# Altium PCB NRF_Temperature_1.0.0.PcbDoc
Units mil, origin at the board's own origin, x right, y up, seen from the top; angles counter-clockwise.
Board outline 2401.57 x 1377.95 mil, 2 copper layers (L1, L4), stack 57.952 mil thick; 34 components, 21 nets, 113 pads, 58 vias.
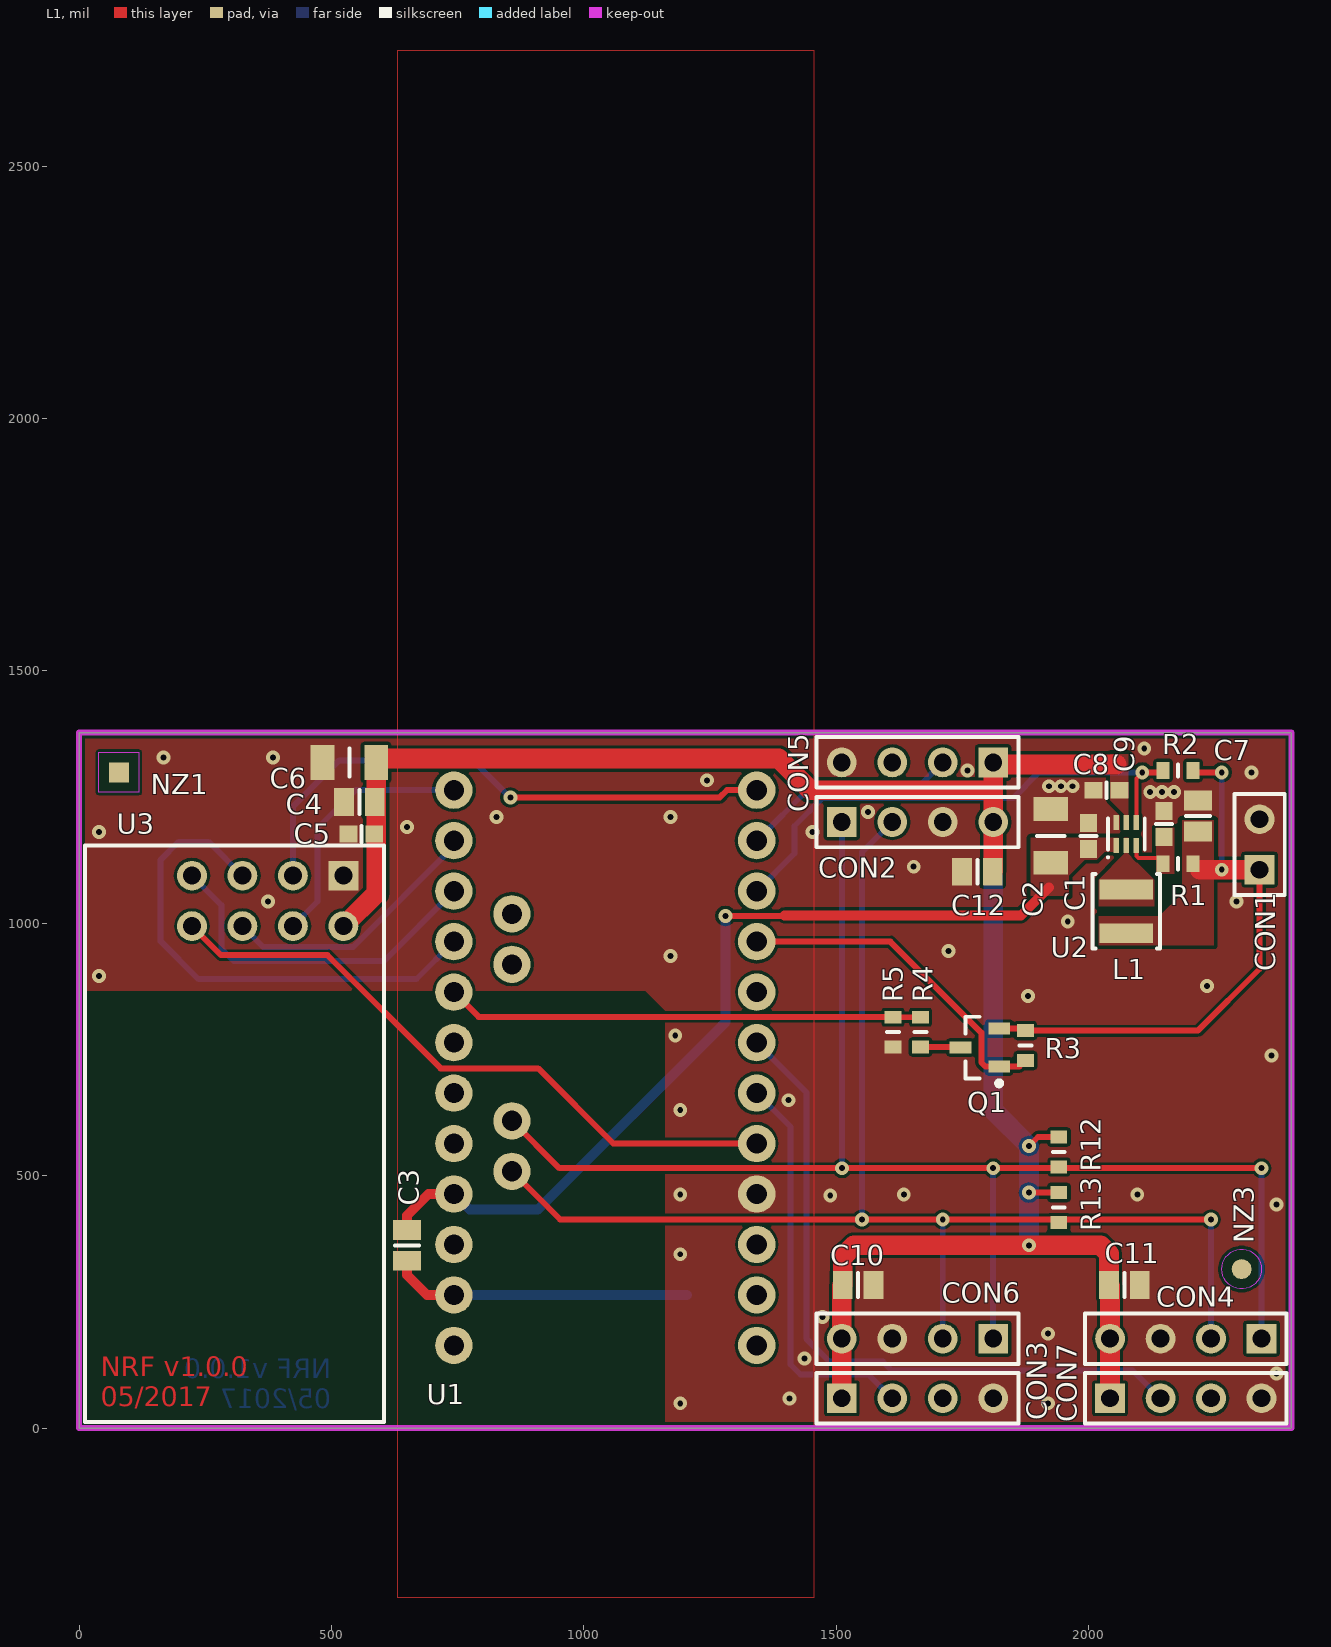
[diagram p0: L1 view]
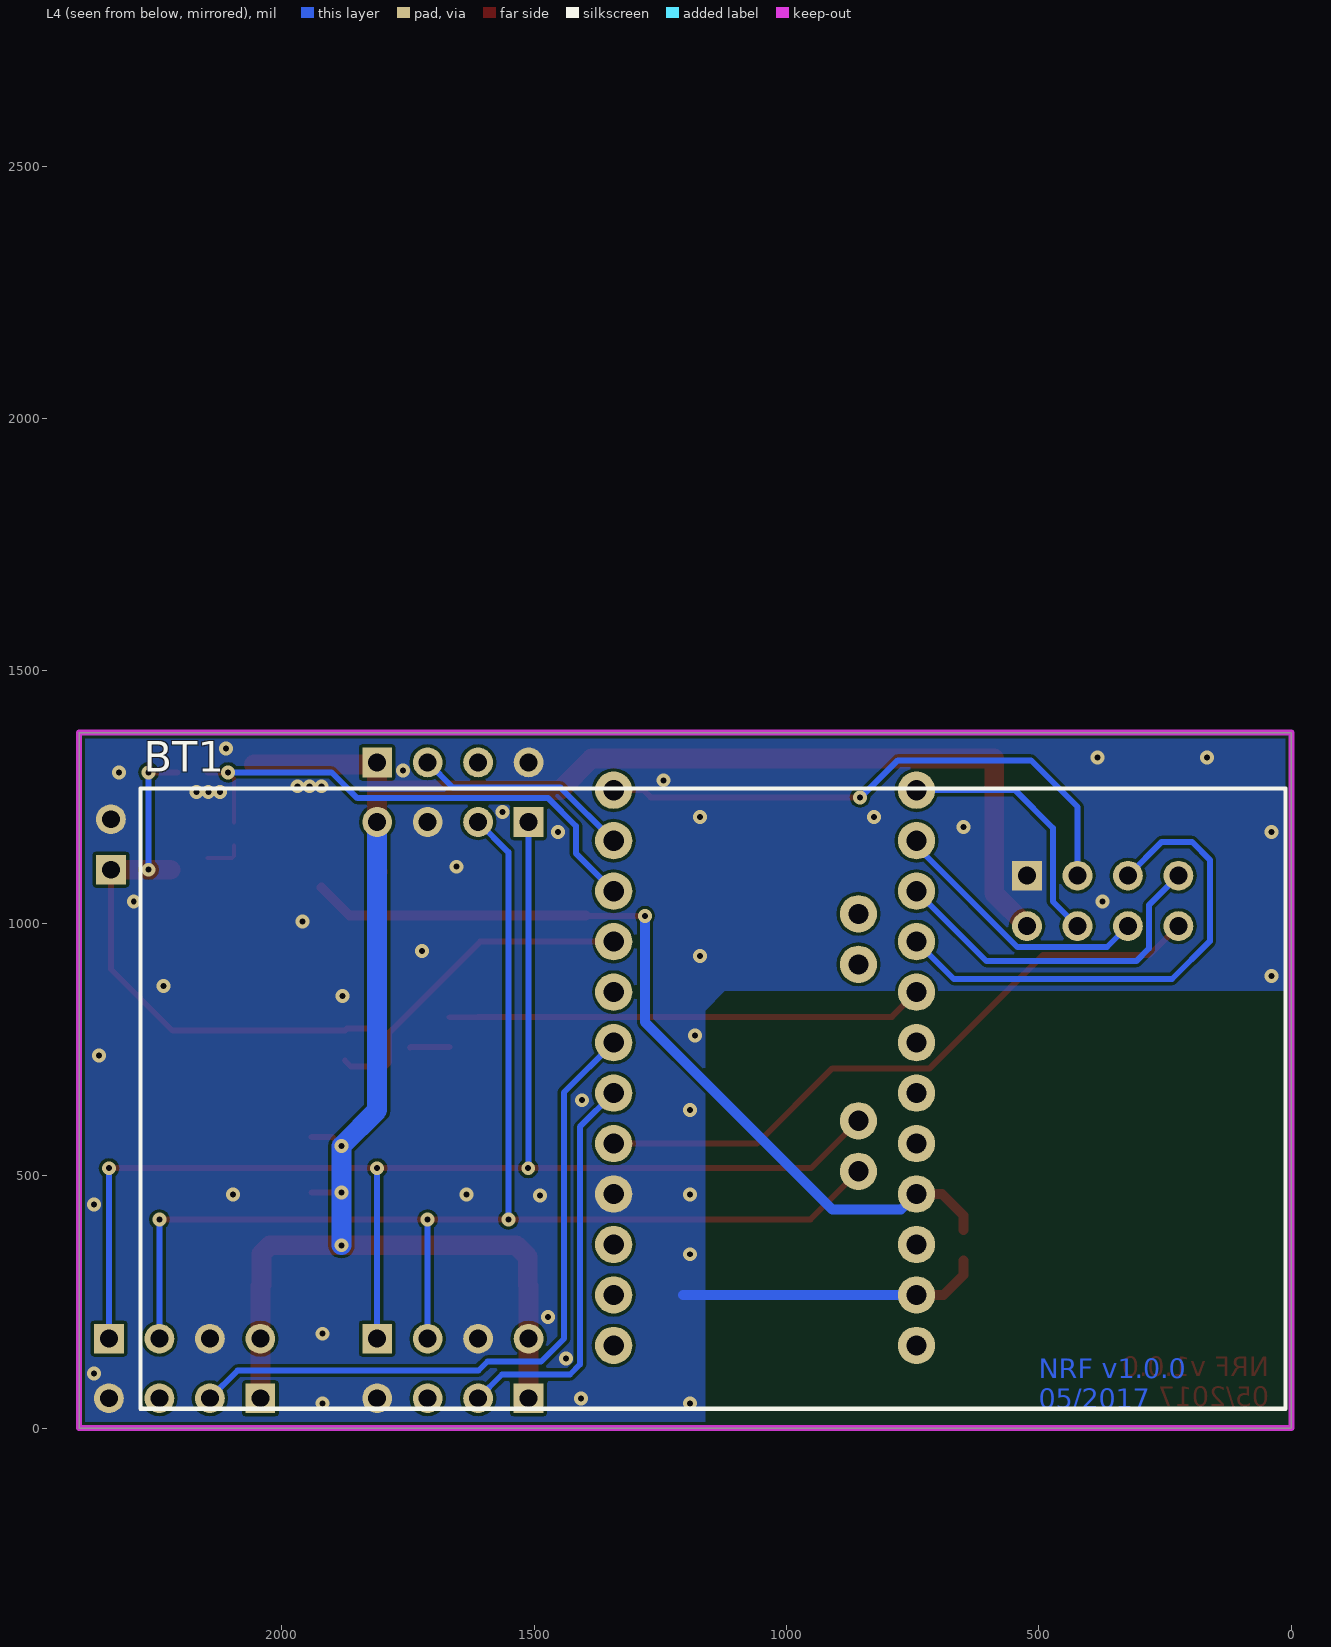
[diagram p1: L4 view, seen from below]
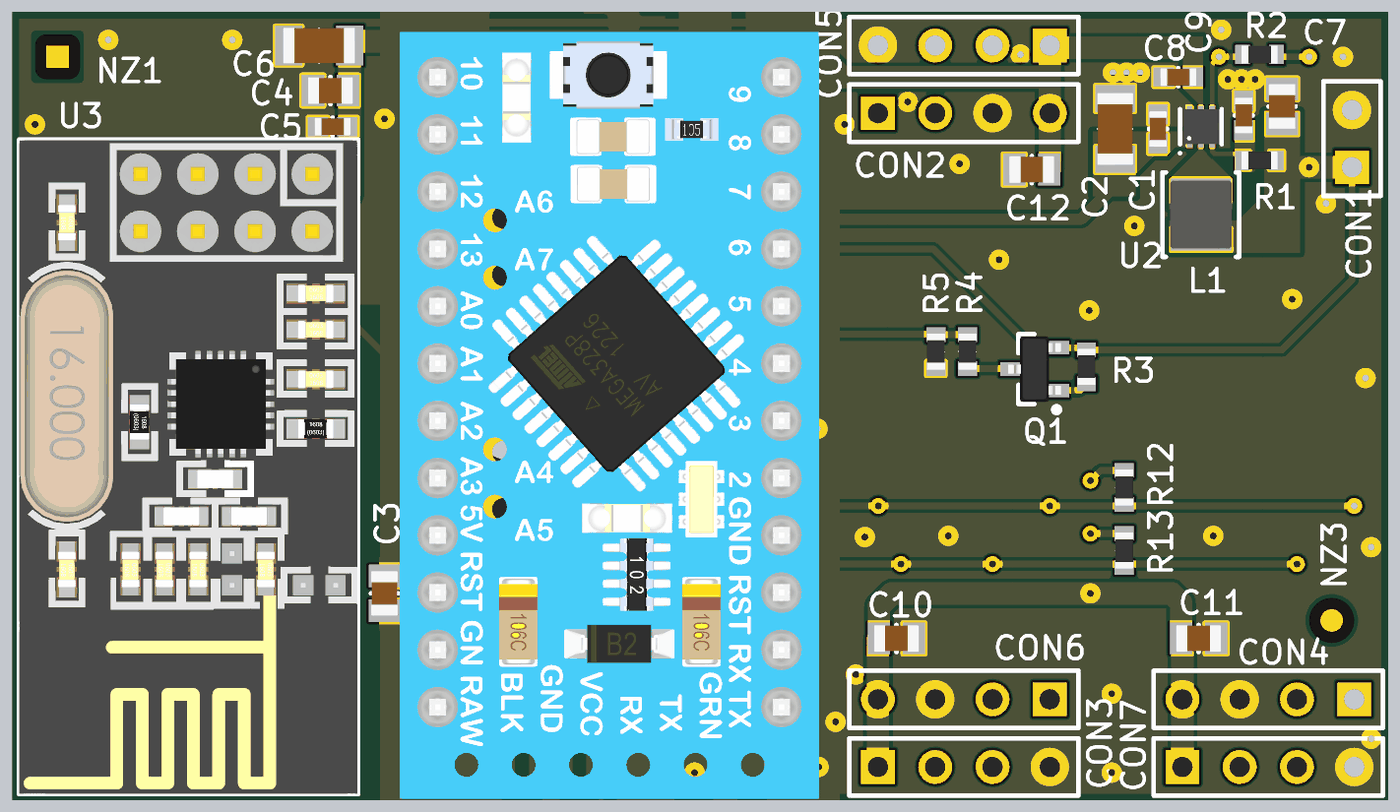
[diagram p2: 3D render of the assembled board from above, using the file's embedded part models]

## Layer stack, top to bottom
Top Solder: solder mask 0.787, Solder Resist, Dk 3.5
L1: signal copper 1.4169
Dielectric 1: core 55.1181, IS400, Dk 4.2
L4: signal copper 1.4169
Bottom Solder: solder mask 0.787, Solder Resist, Dk 3.5

## Board outline
0,0 0,1377.95 2401.57,1377.95 2401.57,0

## Design rules (kind name [scope] priority, off if disabled: settings)
AssemblyTestPointUsage SilkToBoardRegionClearance_1 [All] p2:
AssemblyTestPointUsage SilkToBoardRegionClearance_2 [All] p3:
Clearance [All] p1: gap=6 ignorepadtopadclearanceinfootprint=FALSE except(0: Arc-Hole Track-Hole SMDPad-Hole THPad-Hole Via-Hole Fill-Hole Poly-Hole Region-Hole Text-Hole; 8: Poly-Poly)
ComponentClearance ComponentClearance_Battery [All vs InComponent('BT1')] p1: gap=0 collisioncheckmode=3 verticalgap=0 showdistances=FALSE
ComponentClearance [All] p2: gap=10 collisioncheckmode=3 verticalgap=10 showdistances=FALSE
HoleSize [All] p1: absolutevalues=TRUE maxlimit=250 minlimit=11.81 maxpercent=80.000 minpercent=20.000
MatchedLengths DiffPair_DIFF100MatchedLengths [InDifferentialPairClass('DIFF100')] p1: tolerance=6 checknetsindiffpair=TRUE checkdiffpairvsdiffpair=FALSE checkxsignals=FALSE checkothers=FALSE
MinimumSolderMaskSliver [All] p1: minsoldermaskwidth=3.94
MinimumSolderMaskSliver SilkscreenOverComponentPads_2 [All] p2: minsoldermaskwidth=10
MinimumSolderMaskSliver SilkToSolderMaskClearance_1 [IsPad] p3: minsoldermaskwidth=10
MinimumSolderMaskSliver SilkscreenOverComponentPads_1 [All] p4: minsoldermaskwidth=10
MinimumSolderMaskSliver SilkToSolderMaskClearance [IsPad] p5: minsoldermaskwidth=10
MinimumSolderMaskSliver SilkscreenOverComponentPads [All] p6: minsoldermaskwidth=10
PolygonConnect [All] p1: connectstyle=Direct reliefconductorwidth=10 reliefentries=4 polygonreliefangle="90 Angle" airgapwidth=10
RoutingVias [All] p1: holewidth=11.81 width=27.56 viastyle="Through Hole" minholewidth=11.81 minwidth=25.59 maxholewidth=39.37 maxwidth=50
SilkToSolderMaskClearance SilkToSolderMaskClearance_2 [IsPad] p1: minsilkscreentomaskgap=10 clearancetoexposedcopper=TRUE
SolderMaskExpansion [All] p1: expansion=4
Width [All] p1: maxlimit=100 minlimit=6 preferedwidth=10
26 further rules are at their usual default settings.

## Classes and differential pairs
differential pair class DIFF100: CH1_TRX0 CH1_TRX1 CH1_TRX2 CH1_TRX3 CH2_TRX0 CH2_TRX1 CH2_TRX2 CH2_TRX3 CLK1 DRAM_SDCKL0 DRAM_SDCKL1 DRAM_SDQS0 DRAM_SDQS1 DRAM_SDQS2 DRAM_SDQS3 DRAM_SDQS4 DRAM_SDQS5 DRAM_SDQS6 DRAM_SDQS7 HDMI_CLK HDMI_D0 HDMI_D1 HDMI_D2 HDMI_OUT_CLK HDMI_OUT_D0 HDMI_OUT_D1 HDMI_OUT_D2 PCIE_REFCLK
differential pair class DIFF90: PCIE_CRX PCIE_CTX PCIE_RX PCIE_TX USB_HOST_D USB_OTG_D
net class "Power Net": VCC_3V3 VCC_CPU

## Components (designator, comment, footprint, x,y, rotation, side; value= is the part's Value field where it differs from the comment)
BT1 "BatteryHoled_unc" 2AAHLDR 2279.53,1267.72 r270 bottom
C1 "10uF/6.3V/X5R" C-0603 2000,1173.23 r270 top
C2 "100u/10V X5R" C-1206 1925.2,1173.23 r270 top
C3 "10u/10V" C-0805 649.61,362.2 r90 top
C4 "10u/10V" C-0805 555.12,1240.16 r0 top
C5 "100nF/16V" C-0603 559.06,1177.17 r0 top
C6 "100u/10V X5R" C-1206 535.43,1318.9 r0 top
C7 "10u/10V" C-0805 2216.54,1212.6 r270 top
C8 "10uF/6.3V/X5R" C-0603 2035.43,1263.78 r0 top
C9 "100nF/16V" C-0603 2149.61,1196.85 r270 top
C10 "10u/10V" C-0805 1543.31,283.46 r180 top
C11 "10u/10V" C-0805 2070.87,283.46 r180 top
C12 "10u/10V" C-0805 1779.53,1102.36 r0 top
CON1 "PAD1G02" HDR1X02S 2338.58,1106.3 r90 top
CON2 "PAD1G04" HDR1X04S 1511.02,1200.79 r0 top
CON3 "PAD1G04" HDR1X04S 1511.02,59.06 r0 top
CON4 "PAD1G04" HDR1X04S 2342.52,177.17 r180 top
CON5 "PAD1G04" HDR1X04S 1811.02,1318.9 r180 top
CON6 "PAD1G04" HDR1X04S 1811.02,177.17 r180 top
CON7 "PAD1G04" HDR1X04S 2042.52,59.06 r0 top
L1 "SRN3015-4R7M" TLU-SRN3015 2074.8,1023.62 r90 top
NZ1 "Fiducial Rectangle" "Fiducial Rectangle" 78.74,1299.21 r0 top
NZ3 "Fiducial Circle" "Fiducial Circle" 2303.15,314.96 r90 top
Q1 "FDV304P" SOT23-3L 1784.45,753.94 r180 top
R1 "470R" R-0603 2177.17,1118.11 r180 top value=470
R2 "1.87M 1%" R-0603 2177.17,1303.15 r0 top value=1.87M
R3 "100k 1%" R-0603 1875,757.87 r90 top value=100k
R4 "887k 1%" R-0603 1667.32,784.45 r270 top value=887k
R5 "100k 1%" R-0603 1612.2,784.45 r90 top value=100k
R12 "2.2k" R-0603 1940.94,547.24 r90 top
R13 "2.2k" R-0603 1940.94,437.01 r90 top
U1 "Arduino-Pro-Mini" "Arduino Mini Pro" 1342.52,1263.78 r180 top locked
U2 "TPS610986" SON50P150X80-6N 2074.8,1177.17 r90 top
U3 "NRF24L01" NRF24L01 523.62,1094.49 r90 top

## Footprints (in the part's own frame and the unit in brackets; to place one, negate y for a bottom-side part, rotate by r counter-clockwise, add the part's x,y. Pads: shape width x height; smd on the part's side, far side on the other; paste and mask are expansions set on the pad)
2AAHLDR [mil] "Battery holder 2xAA"
  silkscreen extent 1,0 1229,2268, body extent 0,0 1228,2268, height 592
"Arduino Mini Pro" [mil]
  round 74 hole 40: 1(0,0) 2(0,100) 3(0,200) 4(0,300) 5(0,400) 6(0,500) 7(0,600) 8(0,700) 9(0,800) 10(0,900) 11(0,1000) 12(0,1100) 19(600,1100) 20(600,1000) 21(600,900) 22(600,800) 23(600,700) 24(600,600) 25(600,500) 26(600,400) 27(600,300) 28(600,200) 29(600,100) 30(600,0) 31(485,755) 32(485,655) 33(485,345) 34(485,245)
  body extent -66,-79 666,1260, height 238
C-0603 [mm]
  rect 0.9x0.85 smd: 1(-0.65,0) 2(0.65,0)
  silkscreen extent 0,-0.4 0,0.4, body extent -0.8,-0.4 0.8,0.4, height 0.8
C-0805 [mm]
  rect 1x1.4 smd: 1(-0.775,0) 2(0.775,0)
  silkscreen extent 0,-0.6 0,0.6, body extent -1,-0.6 1,0.6, height 1.2
C-1206 [mm]
  rect 1.2x1.75 smd: 1(-1.35,0) 2(1.35,0)
  silkscreen extent 0,-0.7 0,0.7, body extent -1.6,-0.8 1.6,0.8, height 1.6
"Fiducial Circle" [mm]
  round 1 smd paste-0.75 mask+0.5: 0(0,0)
  L1 keep-out region: 0,1 0.434,0.901 0.782,0.623 0.975,0.223 0.975,-0.223 0.782,-0.623 0.434,-0.901 0,-1 0,-1 -0.434,-0.901 -0.782,-0.623 -0.975,-0.223 -0.975,0.223 -0.782,0.623 -0.434,0.901 0,1
"Fiducial Rectangle" [mm]
  rect 1x1 smd paste-0.75 mask+0.5: 0(0,0)
  L1 keep-out region: -1,1 1,1 1,-1 -1,-1
HDR1X02S [mm] "Connector; Header; 2 Position"
  rect 1.5x1.5 hole 0.9: 1(0,0)
  round 1.5 hole 0.9: 2(2.54,0)
  silkscreen extent -1.27,-1.27 3.81,1.27
HDR1X04S [mm] "Connector; Header; 4 Position"
  rect 1.5x1.5 hole 0.9: 1(0,0)
  round 1.5 hole 0.9: 2(2.54,0) 3(5.08,0) 4(7.62,0)
  silkscreen extent -1.27,-1.27 8.89,1.27
NRF24L01 [mm] "NRF24L01 module"
  rect 1.5x1.5 hole 0.9: 1(0,0)
  round 1.5 hole 0.9: 2(-2.54,0) 3(0,2.54) 4(-2.54,2.54) 5(0,5.08) 6(-2.54,5.08) 7(0,7.62) 8(-2.54,7.62)
  silkscreen extent -27.5,-2.03 1.52,13, body extent -27.5,-2 1.5,13, height 6.85
R-0603 [mm]
  rect 0.65x0.85 smd: 1(-0.75,0) 2(0.75,0)
  silkscreen extent 0,-0.3 0,0.3, body extent -0.8,-0.4 0.8,0.4, height 0.4
SON50P150X80-6N [mm] "SON, 6-Leads, Body 1,50x1,50mm, Pitch 0,50mm, IPC Medium Density"
  rect 0.75x0.28 smd paste-0.025 mask+0.05: 1(-0.575,0.5) 2(-0.575,0) 3(-0.575,-0.5) 4(0.575,-0.5) 5(0.575,0) 6(0.575,0.5)
  silkscreen extent -1.22,-0.93 0.77,0.97, body extent -0.78,-0.77 0.78,0.77, height 0.8
SOT23-3L [mm] "SOT23, 3-Leads, Body 2,90x2,48mm, Pitch 0,95mm, IPC High Density"
  rect 1.1x0.6 smd: 1(-0.975,0.95) 2(-0.975,-0.95) 3(0.975,0)
  silkscreen extent -1.1,-1.55 0.71,1.92, body extent -1.17,-1.46 1.17,1.46, height 1
TLU-SRN3015 [mm] "Precision Wire Wound Inductor, 2-Leads, Body 3,0x3,0mm"
  rect 1x2.7 smd: 1(-1.1,0) 2(1.1,0)
  silkscreen extent -1.88,-1.7 1.88,1.7, body extent -1.51,-1.36 1.51,1.36, height 1.5

## Part data
C1 C8: library part CMP-00255-2, "SMD Ceramic Capacitor 0603 10uF/6.3V/X5R", Package=0603, Helios ID="CAP-0603 10uF/6.3V/X5R", Type=SMT
C2 C6: library part CMP-00294-5, "SMD Ceramic Capacitor 1206 100u/10V X5R", Package=1206, Helios ID="CAP-1206 100u/10V X5R", Type=SMT
C3 C4 C7 C10 C11 C12: library part CMP-00295-2, "SMD Ceramic Capacitor 0805 10u/10V", Package=0805, Helios ID="CAP-0805 10u/10V", Type=SMT
C5 C9: library part CMP-00250-2, "SMD Ceramic Capacitor 0603 100nF/16V", Package=0603, Helios ID="CAP-0603 100nF/16V", Type=SMT
CON1: library part CMP-00005-2, "1x2pin single row pads, 2.54mm", Helios ID=CON-PAD1G02, Type=TH
CON2 CON3 CON4 CON5 CON6 CON7: library part CMP-00006-4, "1x4pin single row pads, 2.54mm", Helios ID=CON-PAD1G04, Type=TH
L1: library part CMP-00463-1, "Shielded inductor 4.7uH/1.2A 3x3mm", Helios ID=IND-SRN3015-4R7M, HelpURL=http://www.bourns.com/docs/Product-Datasheets/SRN3015.pdf, Type=SMT
NZ1: library part CMP-00041-3, Helios ID=x004, Type=MECH
NZ3: library part CMP-00042-4, Helios ID=x005, Type=MECH
Q1: library part CMP-00186-2, "P-Channel Digital FET 25V, 460mA", Package=SOT23, Helios ID=TRA-FDV304P, HelpURL=http://www.fairchildsemi.com/ds/FD/FDV304P.pdf, Type=SMT
R1: library part CMP-00095-3, "SMD Resistor 0603 470R", Package=0603, Helios ID="RES-0603 470R", Type=SMT
R2: library part CMP-00478-1, "SMD Resistor 0603 1.87M 1%", Package=0603, Helios ID="RES-0603 1.87M 1%", Type=SMT
R3 R5: library part CMP-00033-3, "SMD Resistor 0603 100k 1%", Package=0603, Helios ID="RES-0603 100k 1%", Type=SMT
R4: library part CMP-00324-2, "SMD Resistor 0603 887k 1%", Package=0603, Helios ID="RES-0603 887k 1%", Type=SMT
R12 R13: library part CMP-00080-3, "SMD Resistor 0603 2k2", Package=0603, Helios ID="RES-0603 2k2", Type=SMT
U2: library part CMP-00462-2, "Ultra-Low Quiescent Current Synchronous Boost with Integrated Load Switch", Package=DSE6, Helios ID=IC-TPS610986DSE, HelpURL=http://www.ti.com/lit/gpn/tps610986, Type=SMT

## Via types
v1: diameter 27.56, hole 11.81, L1 to L4, 58 vias

## Nets (pads, with @x,y where several pads share a name; then routed paths per layer and width w, separated by ;. In a path a pad name is that pad's centre, name@x,y a point inside that pad or via, vN(x,y) a via of type N, cw(c..) or ccw(c..) an arc to the next point about the centre after c; other vN are vias at no path point)
ADC: R4.1 R5.2 U1.26 | length 945.4
  L1 w11.81: U1.26 791.43,814.87 1611.31,814.87 R5.2 R4.1
GND: C1.1 C2.1 C3.1 C4.1 C5.1 C6.1 C7.1 C8.1 C9.1 C10.1 C11.1 C12.1 CON1.2 CON2.3 CON3.4 CON4.3 CON5.4 CON6.3 CON7.4 R5.1 U1.9 U1.20 U2.6 U3.1 | length 600
  L1 w19.68: C3.1 649.61,303.15 688.98,263.78 U1.20
  L4 w19.68: U1.20 1204.72,263.78
  other v1: 1190.94,49.21 1919.29,49.21 1407.48,59.06 2372.05,108.27 1437.01,137.8 1919.29,187.01 1472.44,220.47 1190.94,344.49 2372.05,442.91 1488.19,460.63 1190.94,462.6 1633.86,462.6 2096.46,462.6 1190.94,629.92 1405.51,649.61 2362.2,738.19 1181.1,777.56 1879.92,856.3 2234.25,875.98 39.37,895.67 1171.26,935.04 1722.44,944.88 1958.66,1003.94 374.02,1043.31 2293.31,1043.31 1653.54,1112.2 39.37,1181.1 1452.76,1181.1 649.61,1190.94 826.77,1210.63 1171.26,1210.63 1562.99,1220.47 2122.05,1259.84 2145.67,1259.84 2169.29,1259.84 1921.26,1271.65 1944.88,1271.65 1968.5,1271.65 1244.09,1283.46 2322.83,1299.21 1759.84,1303.15 167.32,1328.74 383.86,1328.74 2110.24,1346.46
MEAS_EN: Q1.1 R3.1 U1.4 | length 674.4
  L1 w11.81: U1.4 1607.09,963.78 1787.4,783.46 1787.4,724.41 1795.28,716.54 Q1.1 1863.19,716.54 R3.1
NetC9_2: C9.2 R1.2 U2.3 | length 75.4
  L1 w7.87: U2.3 2094.49,1133.86 2098.43,1129.92 R1.2@2147.64,1129.92
NetL1_2: L1.2 U2.2
NetQ1_3: Q1.3 R4.2 | length 79.1
  L1 w11.81: R4.2 1745.08,754.92 Q1.3
NRF_CE: U1.1 U3.3 | length 1129.6
  L1 w11.81: v1(854.33,1249.52) 1269.2,1249.52 1283.46,1263.78 U1.1
  L4 w11.81: U3.3 423.62,1230.71 515.75,1322.83 779.53,1322.83 852.84,1249.52 v1(854.33,1249.52)
NRF_CSN: U1.30 U3.4 | length 515.8
  L4 w11.81: U3.4 472.44,1043.31 472.44,1188.98 547.24,1263.78 U1.30
NRF_INT: U1.8 U3.8 | length 1297.3
  L1 w11.81: U3.8 281.1,937.01 492.13,937.01 716.45,712.69 909.36,712.69 1058.27,563.78 U1.8
NRF_MISO: U1.28 U3.7 | length 696.7
  L4 w11.81: U3.7 282.19,1035.92 282.19,950.09 307.09,925.2 603.94,925.2 U1.28
NRF_MOSI: U1.29 U3.6 | length 529.8
  L4 w11.81: U3.6 365.06,953.06 542.85,953.06 742.52,1152.73 U1.29
NRF_MSCL: U1.27 U3.5 | length 1012.7
  L4 w11.81: U3.5 256.69,1161.42 196.85,1161.42 161.42,1125.98 161.42,964.57 236.22,889.76 668.5,889.76 U1.27 U1.27@742.52,967.69
PinD4: CON7.2 U1.6 | length 1377.9
  L4 w11.81: U1.6 1440.94,665.35 1440.94,177.17 1486.13,131.98 1592.43,131.98 1610.24,114.17 2087.4,114.17 CON7.2
PinD8: CON5.2 U1.2 | length 432.8
  L4 w11.81: U1.2 1448.03,1269.29 1661.42,1269.29 CON5.2
SCL: CON2.2 CON4.2 CON6.2 R13.1 U1.31 | length 2709.1
  L1 w11.81: U1.31 952.91,413.39 v1(2242.52,413.39)
  L4 w11.81: v1(1551.18,413.39) 1551.18,1140.94 CON2.2 ; CON6.2 v1(1711.02,413.39) ; CON4.2 v1(2242.52,413.39)
SDA: CON2.1 CON4.1 CON6.1 R12.1 U1.32 | length 2885.2
  L1 w11.81: U1.32 951.43,514.87 v1(2342.52,514.87)
  L4 w11.81: v1@1511.02,514.87 CON2.1 ; CON6.1 v1(1811.02,514.87) ; CON4.1 v1(2342.52,514.87)
  other v1: 1511.81,514.87
SUB_EN: R2.1 U1.3 U2.4 | length 1038.8
  L1 w7.87: U2.4 2094.49,1287.4 v1(2106.3,1299.21)
  L1 w11.81: v1(2106.3,1299.21) R2.1@2147.64,1299.21
  L4 w11.81: U1.3 1417.32,1138.58 1417.32,1192.91 1472.44,1248.03 1850.39,1248.03 1901.57,1299.21 v1(2106.3,1299.21)
TEMP_HUM: CON3.2 U1.7 | length 797
  L4 w11.81: U1.7@1340.94,665.35 U1.7 1409.45,596.85 1409.45,125.98 1429.13,106.3 1563.78,106.3 CON3.2
VCC_3V3: C4.2 C5.2 C6.2 C8.2 C10.2 C11.2 C12.2 CON2.4 CON3.1 CON4.4 CON5.1 CON6.4 CON7.1 R12.2 R13.2 U2.5 U3.2 | length 4175.8
  L1 w11.81: v1(1881.89,466.54) R13.2 ; v1(1881.89,559.06) 1899.61,576.77 R12.2
  L1 w39.37: U3.2 588.58,1059.45 C6.2 588.58,1326.46 1386.13,1326.46 1448.91,1263.69 1811.02,1263.69 ; CON3.1 CON6.4 1511.02,281.69 C10.2 1512.8,339.57 1535.43,362.2 v1(1881.89,362.2) 2023.62,362.2 2040.35,345.47 C11.2 2042.52,281.3 CON4.4 CON7.1 ; C12.2 1811.02,1103.35 CON2.4 1811.02,1263.69 ; 2055.12,1314.96 1814.96,1314.96 CON5.1 1811.02,1263.69
  L4 w39.37: CON2.4 1811.02,629.92 v1(1881.89,559.06) v1(1881.89,362.2)
VCC_BAT: C7.2 CON1.1 L1.1 Q1.2 R1.1 R2.2 R3.2 | length 1132.9
  L1 w11.81: Q1.2 1871.06,791.34 R3.2 2216.54,787.4 2338.58,909.45 CON1.1 ; R2.2@2206.69,1299.21 v1(2263.78,1299.21)
  L1 w39.37: 2220.47,1106.3 CON1.1
  L4 w11.81: v1(2263.78,1106.3) v1(2263.78,1299.21)
VCC_CPU: C1.2 C2.2 C3.2 U1.22 U2.1 | length 1718.2
  L1 w11.81: v1(1280.4,1014.87) 1396.76,1014.87 1397.64,1015.75
  L1 w19.68: C3.2 649.61,421.26 692.13,463.78 U1.22 ; 1397.64,1015.75 1866.14,1015.75 1921.26,1070.87
  L4 w19.68: U1.22 773.23,433.07 909.45,433.07 1280.4,804.02 v1(1280.4,1014.87)
pads on no net: CON3.3 CON5.3 CON7.3 NZ1.0 NZ3.0 U1.5 U1.10 U1.11 U1.12 U1.19 U1.21 U1.23 U1.24 U1.25 U1.33 U1.34

## Polygon pours and split planes (outlines as drawn)
GND on L1 "L01_GND_P042" (solid, remove dead copper, pour order 42): 2401.57,0 2401.57,1377.95 0,1377.95 0,866.14 1122.05,866.14 1161.42,826.77 1161.42,0
VCC_3V3 on L1 "L01_VCC_3V3_P038" (solid, remove dead copper, pour order 38): 2078.74,1185.04 2078.74,1334.65 2043.31,1334.65 2043.31,1244.09 2070.87,1216.54 2070.87,1185.04
NetC9_2 on L1 "L01_NETC9_2_P036" (solid, remove dead copper, pour order 36): 2133.86,1098.43 2133.86,1188.98 2169.29,1188.98 2169.29,1098.43
VCC_CPU on L1 "L01_VCC_CPU_P034" (solid, remove dead copper, pour order 34): 2059.06,1169.29 1885.83,1169.29 1885.83,1055.12 1960.63,1055.12 1960.63,1094.49 1992.13,1125.98 2015.75,1125.98 2031.5,1141.73 2059.06,1141.73
VCC_BAT on L1 "L01_VCC_BAT_P032" (solid, remove dead copper, pour order 32): 2185.04,1204.72 2185.04,1059.06 2139.76,1013.78 2019.68,1013.78 2019.68,956.69 2248.03,956.69 2248.03,1204.72
NetL1_2 on L1 "L01_NETL1_2_P030" (solid, remove dead copper, pour order 30): 2070.87,1169.29 2070.87,1137.8 2019.68,1086.61 2019.68,1033.46 2129.92,1033.46 2129.92,1086.61 2078.74,1137.8 2078.74,1169.29
GND on L1 "L01_NONET_P026" (solid, shelved, pour order 26): 629.92,-334.65 1456.69,-334.65 1456.69,2728.35 629.92,2728.35
GND on L4 "L02_GND_P040" (solid, remove dead copper, pour order 40): 2401.57,0 2401.57,1377.95 0,1377.95 0,866.14 1122.05,866.14 1161.42,826.77 1161.42,0

## Keep-outs
Keep-Out Layer:
  the board outline again, w11.81

## Other copper
L1:
  text "NRF v1.0.0 / 05/2017" at 43.31,43.31 h39.37
L4:
  text "NRF v1.0.0 / 05/2017" at 500,39.37 h39.37